# KiCad board klofi.kicad_pcb (continued)
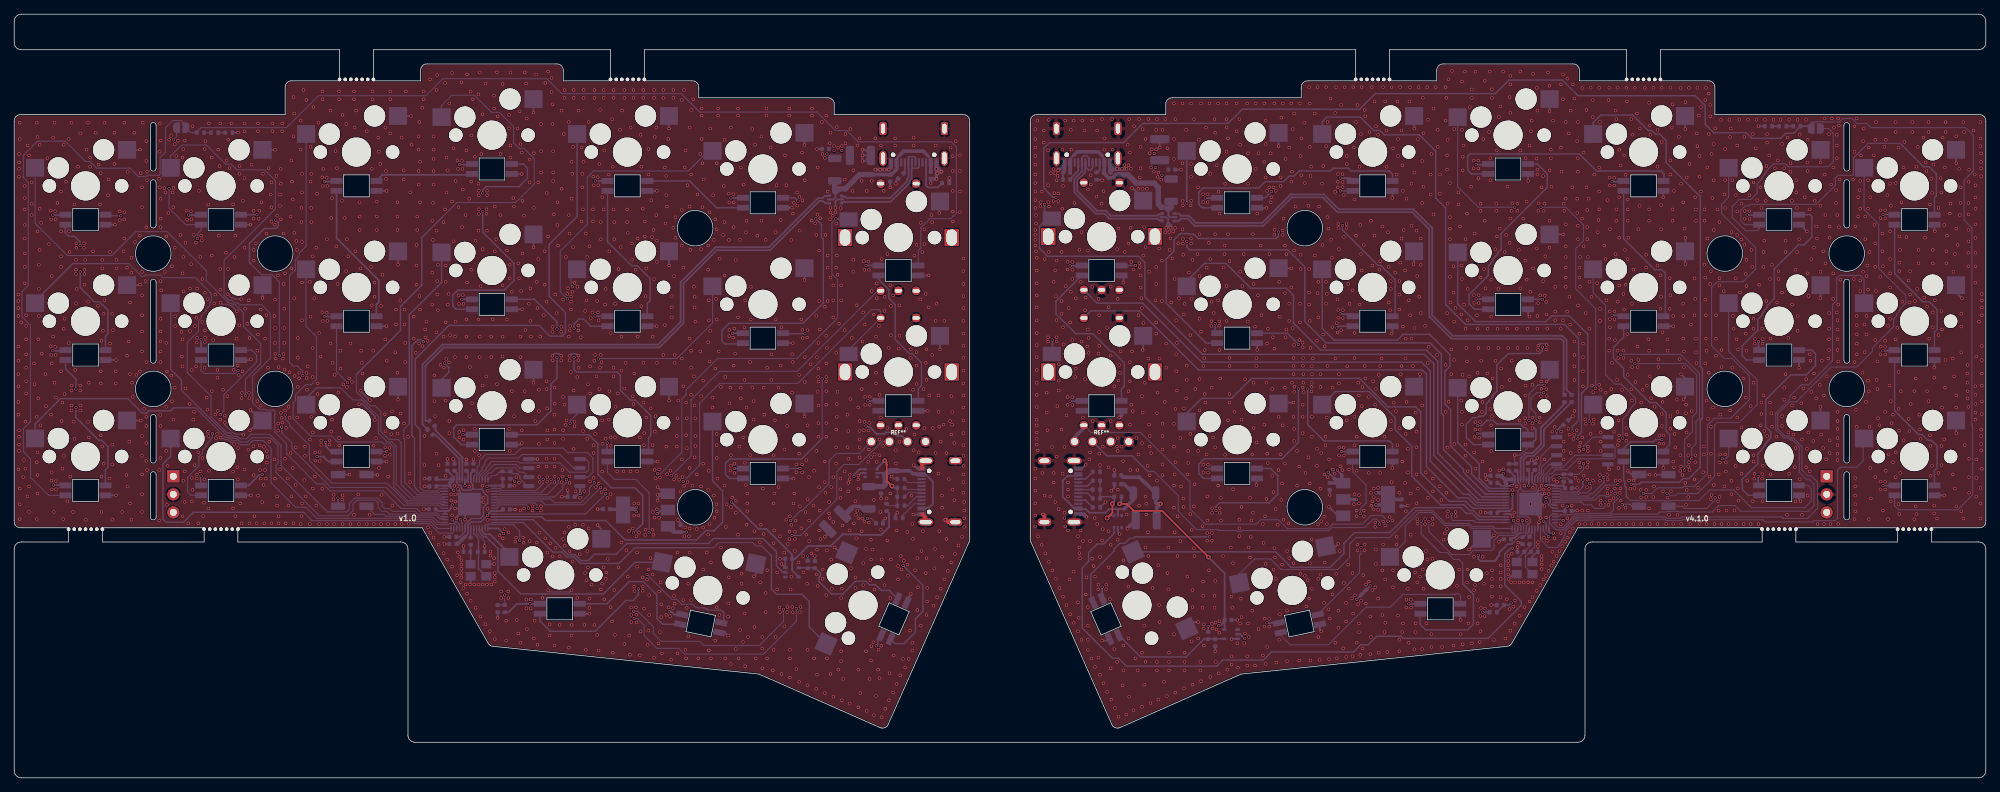
[diagram p0: board, top side]
## Routing (per net, layer and track width the routed paths; a pad name or vN(x,y) marks a point on that pad's centre or on a via; arc(x,y) is an arc through that point) (continued)
Net-(U5-XOUT): length 1.3
  Back w0.203: U5.21 64.18,35.07 R15.2

## Copper pours and planes (outline as drawn; the poured copper is in the pictures)
+5V on Back: 119.98,36.22 120.78,36.22 120.98,36.72 120.98,37.42 119.28,37.7 118.78,37.2 118.78,37 119.18,36.92 119.58,36.62
+5V on Back: 117.18,86.32 116.28,86.82 114.44,87.22 114.18,87.62 114.18,88.02 114.28,88.82 115.38,88.52 116.58,88.52 117.16,88.95
+5V on In1.Cu: 118.88,37.02 118.88,37.32 119.18,37.52 119.58,37.72 120.18,37.22 120.18,36.52 119.88,36.32
+5V on In1.Cu: 116.68,88.62 114.98,88.62 114.28,88.02 114.28,87.62 114.8,86.94 115.28,86.72 116.38,86.72 116.68,87.12
+5VR on Back: 163.48,84.72 161.78,83.92 161.18,84.72 161.18,85.22 160.88,85.62 160.28,85.82 160.28,86.42 159.98,86.72 159.98,87.92 160.18,88.12 160.58,88.12 162.38,86.72 162.58,85.82
+5VR on In1.Cu: 160.28,85.82 161.08,85.42 161.28,85.02 161.38,84.62 161.78,84.82 162.08,85.52 161.88,87.52 160.58,88.12 160.18,88.12 159.98,87.82
/left/VBUS_unfiltered on Back: 124.38,86.92 124.68,87.42 124.98,88.42 123.78,87.22 123.78,86.92
/left/VBUS_unfiltered on Back: 128.58,86.92 128.28,87.42 127.98,88.42 129.18,87.22 129.18,86.92
GND on Front, In2.Cu: 136.45,101.96 -3.98,101.78 -3.79,5.26 136.26,5.45
GNDR on Front: 141.68,101.96 278.68,102.51 279.18,5.32 140.68,5.07
GNDR on In2.Cu: 140.93,101.57 277.93,101.32 278.18,6.57 141.18,5.57
/right/rVBUS_ESD on Back: 152.98,86.92 152.68,87.42 152.38,88.42 153.58,87.22 153.58,86.92
/right/rVBUS_ESD on Back: 148.78,86.92 149.08,87.42 149.38,88.42 148.18,87.22 148.18,86.92

## Text on the board
B.Silkscreen: SWD | GND | SWCLK | Jumper for LED | BOOT | RESET
F.Silkscreen: v4.1.0 | v1.0
